# Altium PCB Motherboard.PcbDoc (part 3 of 3) (continued)
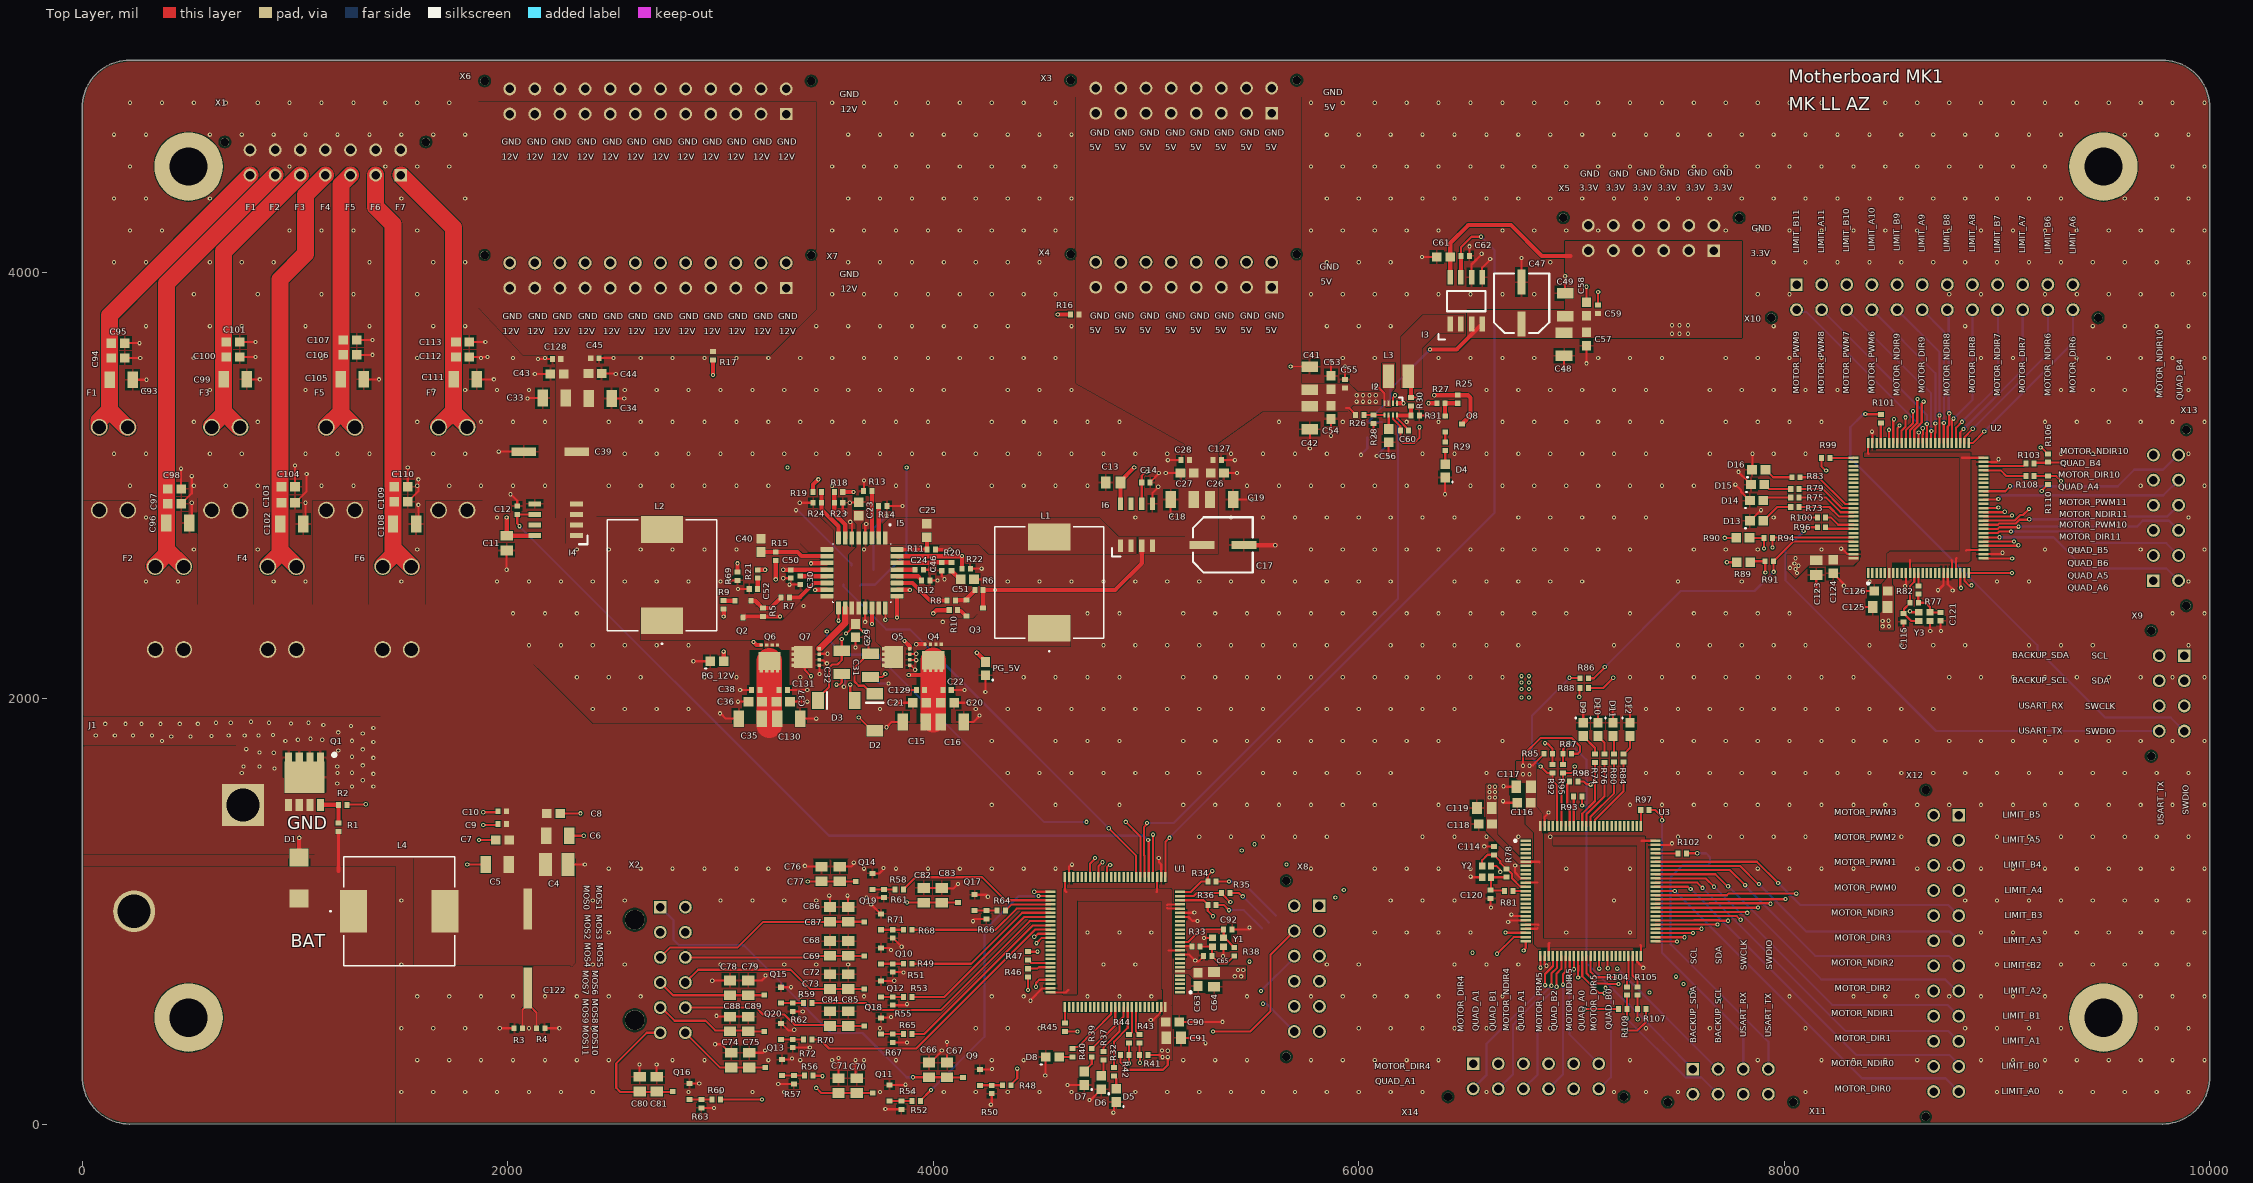
[diagram p0: Top Layer view]
## Nets (pads, with @x,y where several pads share a name; then routed paths per layer and width w, separated by ;. In a path a pad name is that pad's centre, name@x,y a point inside that pad or via, vN(x,y) a via of type N, cw(c..) or ccw(c..) an arc to the next point about the centre after c; other vN are vias at no path point) (continued)
  other v1: 7611.02,917.5
NetU3_55: U3.55 X12.P$20 | length 1441.2
  Top Layer w10: U3.55@7395.12,937.52 7682.51,937.51 v1@7685,940
  Mid Layer 1 w10: v1@7690,935 7685,935 7995,625 X12.P$20@8701.89,625
  other v1: 7686.02,937.5
NetU3_56: U3.56 X12.P$19 | length 1395.7
  Top Layer w10: U3.56@7395.12,957.2 7576.03,957.2 7576.32,957.5 7694.31,957.5 7696.81,955 v1(7735,955)
  Mid Layer 1 w10: v1(7735,955) 7946.89,743.11 X12.P$19@8701.89,743.11
NetU3_57: U3.57 X12.P$18 | length 1354.7
  Top Layer w10: U3.57@7395.12,976.89 7776.53,976.89 7793.42,960 v1(7795,960)
  Mid Layer 1 w10: v1(7795,960) 7893.77,861.23 X12.P$18@8701.89,861.23
NetU3_58: U3.58 X12.P$17 | length 1312.3
  Top Layer w10: U3.58@7395.12,996.57 7819.24,996.57 7821.4,994.41 7824.41,994.41 v1@7825,995
  Mid Layer 1 w10: v1@7825,990 7835.66,979.34 X12.P$17@8701.89,979.34
  other v1: 7826.02,992.5
NetU3_59: U3.59 X12.P$16 | length 1349.6
  Top Layer w10: U3.59@7395.12,1016.26 7871.4,1016.26 7875,1019.86 v1@7875,1020
  Mid Layer 1 w10: v1@7880,1020 7875,1015 8619.44,1015 X12.P$16@8701.89,1097.45
  other v1: 7876.02,1017.5
NetU3_60: U3.60 X12.P$15 | length 1383.2
  Top Layer w10: U3.60@7395.12,1035.94 7648.25,1035.94 7649.8,1037.5 7929.8,1037.5 7932.29,1035 v1(7935,1035)
  Mid Layer 1 w10: v1(7935,1035) 8521.33,1035 X12.P$15@8701.89,1215.56
NetU3_61: U3.61 X12.P$14 | length 1430.3
  Top Layer w10: U3.61@7395.12,1055.63 7396.02,1056.54 8003.46,1056.54 v1@8005,1055
  Mid Layer 1 w10: v1@8010,1060 8005,1055 8423.22,1055 X12.P$14@8701.89,1333.67
  other v1: 8006.02,1057.5
NetU3_62: U3.62 X12.P$13 | length 1464.8
  Top Layer w10: U3.62@7395.12,1075.32 7729.94,1075.32 7737.12,1082.5 8052.5,1082.5 v1@8055,1080
  Mid Layer 1 w10: v1@8055,1080 8330.11,1080 X12.P$13@8701.89,1451.78
  other v1: 8056.02,1082.5
NetU3_63: U3.63 X12.P$12 | length 1820.6
  Top Layer w10: U3.63@7390,1095 7390.16,1095.16 7484.84,1095.16 v1(7485,1095.32)
  Bottom Layer w10: v1(7485,1095.32) 8365.32,215 8757.56,215 X12.P$12@8820,152.56
NetU3_64: U3.64 X12.P$11 | length 1787.4
  Top Layer w10: U3.64@7390,1115 7390.31,1115.32 7546.98,1115.32 7557.29,1105 v1(7560,1105)
  Mid Layer 2 w10: X12.P$11@8820,270.67 X12.P$11@8820,280
  Bottom Layer w10: v1(7560,1105) 7644.31,1020.69 7644.31,1017.4 8336.72,325 8775,325 X12.P$11@8820,280
NetU3_65: U3.65 X12.P$10 | length 1733.7
  Top Layer w10: U3.65@7395.12,1134.37 7590.63,1134.37 v1(7615,1110)
  Bottom Layer w10: v1(7615,1110) 8288.33,436.67 8772.11,436.67 X12.P$10@8820,388.78
NetU3_66: U3.66 X12.P$9 | length 1701.3
  Top Layer w10: U3.66@7395.54,1153.64 7631.36,1153.64 v1(7670,1115)
  Mid Layer 2 w10: X12.P$9@8820,506.89 8825,501.89 X12.P$9@8825,500
  Bottom Layer w10: v1(7670,1115) 8225,560 8766.89,560 X12.P$9@8820,506.89
NetU3_67: U3.67 X12.P$8 | length 1647.2
  Top Layer w10: U3.67@7395.12,1173.74 7676.26,1173.74 v1@7735,1115
  Mid Layer 2 w10: X12.P$8@8810,625 X12.P$8@8815,625
  Bottom Layer w10: v1(7736.02,1117.5) 8173.52,680 8755,680 X12.P$8@8810,625
NetU3_68: U3.68 X12.P$7 | length 1611.4
  Top Layer w10: U3.68@7395.12,1193.43 7745.1,1193.43 v1(7816.02,1122.5)
  Bottom Layer w10: v1@7815,1120 8145,790 8773.11,790 X12.P$7@8820,743.11
NetU3_69: U3.69 X12.P$6 | length 1571.9
  Top Layer w10: U3.69@7395.12,1213.11 7791.89,1213.11 v1@7880,1125
  Mid Layer 2 w10: X12.P$6@8820,860 X12.P$6@8820,861.23
  Bottom Layer w10: v1(7881.02,1127.5) 8103.52,905 8776.23,905 X12.P$6@8820,861.23
NetU3_70: U3.70 X12.P$5 | length 1529.9
  Top Layer w10: U3.70@7395.12,1232.8 7870.73,1232.8 v1(7971.02,1132.5)
  Bottom Layer w10: v1(7971.02,1132.5) 8073.52,1030 8078.52,1030 8079.07,1029.45 8769.89,1029.45 X12.P$5@8820,979.34
OSC_IN: R33.1 U1.12 | length 54.7
  Top Layer w10: U1.12@5160.43,835.32 5160.59,835.16 5214.84,835.16 R33.1@5215,835
OSC_IN_0: C114.2 R78.2 U3.12 Y2.1 | length 326
  Top Layer w10: Y2.1@6580,1210 6580,1240 6605.31,1265.32 C114.2@6635,1265.32 6636.97,1265.32 6643.78,1258.5 6643.78,1256.54 6665,1235.32 6665,1227.4 6692.4,1200 6696.34,1200 6720,1176.34 6720,1155 6759.41,1115.59 6783.98,1115.59 U3.12@6784.88,1114.68
OSC_IN_1: C115.2 R77.2 U2.12 Y3.1 | length 298.1
  Top Layer w10: U2.12@8610.63,2590 8610.63,2547.93 8590.32,2527.61 8590.32,2450.32 8590,2450 8590,2447.72 8562.92,2420.64 8562.92,2402.61 C115.2@8560,2399.68 8561.97,2399.68 8597.99,2363.66 Y3.1@8631.85,2363.66
OSC_OUT: C92.2 R38.1 U1.13 Y1.3 | length 339.6
  Top Layer w10: U1.13@5160.43,855 5197.7,855 5257.7,915 5365,915 5365.31,914.68 5365.31,875.32 Y1.3@5365,875 5374.76,865.24 5379.45,865.24 5406.22,838.46 5406.22,836.5 5413.03,829.68 R38.1@5415,829.68
OSC_OUT_0: R81.1 U3.13 | length 59.9
  Top Layer w10: R81.1@6725,1095 U3.13@6784.88,1095
OSC_OUT_1: R82.1 U2.13 | length 60.1
  Top Layer w10: R82.1@8630,2530 8630.16,2530.16 8630.16,2589.84 U2.13@8630.32,2590
OUT_3.3V: C60.1 I2.7 I3.1 I3.2 L3.2 R30.2 | length 572
  Top Layer w10: I2.7@6160.31,3332.44 6160.39,3332.36 6160.39,3314.61 6195,3280 C60.1@6195,3260 ; C60.1@6195.31,3260 6195.31,3214.68 6210,3200 6260,3200 6285,3225 v1(6285,3275) ; R30.2@6245,3414.68 6245.16,3414.84 6284.84,3414.84 v1(6285,3415)
  Top Layer w20: L3.2@6232.52,3515 6245,3502.52 R30.2@6245,3416.5
  Mid Layer 4 w10: v1(6285,3275) v1(6285,3415)
PG_3.3V: I2.1 R27.1 | length 185.9
  Top Layer w20: I2.1@6182.44,3387.56 v1(6210,3387.56) ; v1(6327.78,3387.81) 6362.19,3387.81 R27.1@6365,3385
  Mid Layer 1 w20: v1(6210,3387.56) 6212.56,3385 6324.97,3385 v1(6327.78,3387.81)
PGOOD1: I5.27 R8.1 | length 269.7
  Top Layer w20: I5.27@3829.57,2542.76 3902.24,2542.76 3985,2460 R8.1@4065,2460
PGOOD2: I5.14 R7.1 | length 209.5
  Top Layer w10: I5.14@3500.43,2542.76 3502.24,2542.76 I5.14@3505,2540
  Top Layer w20: R7.1@3324.68,2475 3372.15,2475 3439.9,2542.76 I5.14@3500.43,2542.76
SCL0: R88.1 R95.1 U3.95 | length 705.2
  Top Layer w10: U3.95@6952.2,1400.12 6952.2,1592.2 6960,1600 R95.1@6960,1650 ; R95.1@6960,1650.32 7000.31,1650.32 7013.09,1663.09 7013.09,1678.09 v1(7015,1680) ; v1@7035,2010 7035.82,2010 7037.94,2012.12 7037.94,2047.62 R88.1@7040.31,2050
  Mid Layer 3 w10: v1@7035,2003.77 v1@7035,2005
  Mid Layer 4 w10: v1(7015,1680) 7015,1983.77 v1@7035,2003.77
  other v1: 7036.02,2007.5
SCL1: R88.2 R94.1 U2.95 | length 1559.3
  Top Layer w10: R88.2@7079.69,2050 7150,2050 v1@7195,2095 ; R94.1@7944.09,2754.09 7947.32,2757.32 U2.95@8325.2,2757.32 ; v1(7945,2710) 7944.84,2710.16 7944.84,2749.74 R94.1@7945.1,2750
  Mid Layer 4 w10: v1(7196.02,2097.5) 7673.53,2575 7810,2575 v1(7945,2710)
SDA0: R86.1 R92.1 U3.96 | length 882.9
  Top Layer w10: v1(6855,1680) 6884.69,1650.32 R92.1@6910,1650.32 ; R92.1@6910,1650 6910,1615 6932.52,1592.48 U3.96@6932.52,1400.12 ; v1@6990,2100 6993.75,2096.25 7039.07,2096.25 R86.1@7040.31,2095
  Bottom Layer w10: v1(6855,1680) 6815,1720 6815,1920 v1@6990,2095
  other v1: 6991.02,2097.5
SDA1: R86.2 R91.1 U2.96 | length 1535.4
  Top Layer w10: R86.2@7079.69,2095 7105,2095 v1@7155,2145 ; v1(7950,2595) 7949.84,2595.16 7949.84,2639.84 R91.1@7950,2640 ; R91.1@7950,2645 7950,2647.28 7956.5,2653.78 7958.78,2653.78 8042.64,2737.64 U2.96@8325.2,2737.64
  Bottom Layer w10: v1(7156.02,2147.5) 7513.53,2505 7860,2505 v1(7950,2595)
SS1: C24.2 I5.29 | length 85.6
  Top Layer w10: I5.29@3830,2605 I5.29@3830.37,2605.37 ; C24.2@3914.94,2605.37 C24.2@3915.32,2605
  Top Layer w20: I5.29@3830.37,2605.37 C24.2@3914.94,2605.37
SS2: C30.2 I5.13 | length 125.3
  Top Layer w10: C30.2@3375,2574.68 C30.2@3375.22,2574.47 ; I5.13@3499.47,2574.47 I5.13@3500,2575
  Top Layer w20: C30.2@3375.22,2574.47 I5.13@3499.47,2574.47
SS_3.3V: C56.1 I2.6 | length 67.7
  Top Layer w10: C56.1@6140,3265 6140.63,3265.63 C56.1@6140.63,3266.5 I2.6@6140.63,3332.44
SW_3.3V: I2.3 L3.1
Therm0: R36.1 U1.23 X8.P$10 | length 707.1
  Top Layer w10: U1.23@5160.43,1051.85 5270.43,1051.85 5290,1032.28 5290,1001.65 v1(5315.46,976.19)
  Mid Layer 1 w10: v1@5320,975 5392.83,975 X8.P$10@5696.89,670.94
Therm1: R35.1 U1.24 X8.P$4 | length 865.1
  Top Layer w10: U1.24@5160.43,1071.54 5224.09,1071.54 5237.56,1085 R35.1@5350,1085 ; R35.1@5355.31,1085 5355.31,1083.03 5398.35,1040 v1@5400,1040
  Mid Layer 4 w10: v1(5396.53,1043.24) 5497.16,1043.24 5815,725.4 X8.P$4@5815,670.94 X8.P$4@5815,670
Therm2: R34.1 U1.25 X8.P$7 | length 657.1
  Top Layer w10: U1.25@5160.43,1091.22 5211.22,1091.22 5260,1140 5290,1140 5290,1166.71 v1(5311.53,1188.24)
  Mid Layer 1 w10: v1@5315,1190 5450,1190 5614.72,1025.28 X8.P$7@5696.89,1025.28
VCCINT: C23.2 C29.1 D2.1 D3.1 I5.5 I5.19 I5.20 | length 972.4
  Top Layer w10: v1(3590,2305) 3590.98,2305 3630,2344.02 C29.1@3630,2350 ; v1(3610,2065) 3610,2011.61 D3.1@3631.61,1990 ; C29.1@3630,2355 3630,2354.02 3667.1,2316.91 3673.09,2316.91 v1(3675,2315) ; v1(3650,1910) 3651.57,1910 3713.19,1848.39 D2.1@3725,1848.39
  Mid Layer 4 w10: v1(3590,2305) 3590,2085 v1(3610,2065) ; v1(3650,1910) 3650,2076.35 3675,2101.35 v1(3675,2315)
pads on no net: I4.7 I6.7 U1.1 U1.2 U1.3 U1.4 U1.5 U1.7 U1.8 U1.9 U1.14 U1.15 U1.16 U1.17 U1.18 U1.34 U1.35 U1.36 U1.37 U1.38 U1.39 U1.41 U1.43 U1.45 U1.46 U1.47 U1.48 U1.63 U1.64 U1.65 U1.66 U1.67 U1.70 U1.71 U1.73 U1.77 U1.78 U1.79 U1.80 U1.81 U1.82 U1.83 U1.84 U1.85 U1.86 U1.89 U1.94 U1.95 U1.96 U1.97 U1.98 U2.1 U2.2 U2.3 U2.4 U2.5 U2.7 U2.8 U2.9 U2.14 U2.15 U2.16 U2.17 U2.18 U2.39 U2.41 U2.43 U2.44 U2.45 U2.46 U2.71 U2.73 U2.77 U2.78 U2.79 U2.80 U2.81 U2.82 U2.83 U2.84 U2.85 U2.86 U2.91 U2.94 U2.97 U2.98 U3.1 U3.2 U3.3 U3.4 U3.5 U3.7 U3.8 U3.9 U3.14 U3.15 U3.16 U3.17 U3.18 U3.39 U3.41 U3.43 U3.44 U3.45 U3.46 U3.71 U3.73 U3.77 U3.78 U3.79 U3.80 U3.81 U3.82 U3.83 U3.84 U3.85 U3.86 U3.91 U3.94 U3.97 U3.98 X1.1 X2.1 X3.1 X4.1 X5.1 X6.1 X7.1 X8.1 X9.1 X10.1 X11.1 X12.1 X13.1 X14.1

## Polygon pours and split planes (outlines as drawn)
BAT_Main on Top Layer "BAT_MAIN_L01_P086" (solid, pour order 86): 1560,1205 1560,1195 1560,745 2295,745 2300,740 2315,755 2315,1250 4230,1250 4230,1515 4230,1880 2400,1880 1840,2440 0,2440 0,1250 1560,1250
NetJ1_1 on Top Layer "NETJ1_1_L01_P062" (solid, pour order 62): 1090,1780 1090,1270 0,1270 0,1780
GND on Top Layer "GND_L01_P109" (solid, pour order 109): 222.5,-0.01 cw(c222.5,222.5) -0.01,222.5 0,222.5 0,4777.5 -0.01,4777.5 cw(c222.5,4777.5) 222.5,5000.01 9777.5,5000.01 cw(c9777.5,4777.5) 10000.01,4777.5 10000.01,222.5 cw(c9777.5,222.5) 9777.5,-0.01 9777.5,0
LX2 on Top Layer "LX2_L01_P009" (solid, pour order 9): 3210,2275 2625,2275 2625,2430 2930,2430 3210,2430
3.3V on Top Layer "3.3V_L01_P100" (solid, pour order 100): 6650,1595 6650,1360 6760,1250 6760,1240 6815,1240 6815,1220 6755,1220 6600,1375 6600,1595
NetI5_23 on Top Layer "NETI5_23_L01_P048" (solid, pour order 48): 3730,2455 3730,2270 3760,2240 3760,2145 3860,2145 3860,2245 3975,2245 4410,2245 4645,2245 4645,2395 4210,2395 4190,2375 3775,2375 3755,2395 3755,2455
3.3V on Top Layer "3.3V_L01_P099" (solid, pour order 99): 5120,555 5120,1100 5115,1105 4610,1105 4610,610 4675,610 4675,1055 4680,1050 5075,1050 5075,635 5080,630 5080,575
3.3V on Top Layer "3.3V_L01_P098" (solid, pour order 98): 5470,740 5470,680 5225,680 5200,705 5135,705 5135,725 5210,725 5225,740 5465,740
3.3V on Top Layer "3.3V_L01_P097" (solid, pour order 97): 5120,300 5120,555 5100,575 5080,575 5080,515 5060,495 5060,300
3.3V on Top Layer "3.3V_L01_P095" (solid, pour order 95): 6825,1370 6825,845 6840,830 7345,830 7345,1335 7345,1350 7340,1350 6915,1350 6915,1310 7310,1310 7310,870 6865,870 6865,1365 6860,1370
3.3V on Top Layer "3.3V_L01_P094" (solid, pour order 94): 6740,1705 6835,1705 6835,1495 6835,1490 6860,1460 6860,1370 6825,1370 6785,1410 6785,1605 6760,1605 6740,1625 6740,1690
3.3V on Top Layer "3.3V_L01_P090" (solid, pour order 90): 8485,2680 8495,2690 8825,2690 8825,3135 8820,3135 8375,3135 8375,3155 8875,3155 8875,2650 8865,2640 8505,2640 8505,2620 8500,2615 8485,2615
3.3V on Top Layer "3.3V_L01_P089" (solid, pour order 89): 8450,2400 8460,2410 8460,2540 8485,2565 8485,2620 8500,2620 8505,2615 8505,2535 8515,2525 8515,2320 8450,2320
3.3V on Top Layer "3.3V_L01_P088" (solid, pour order 88): 8015,2605 8055,2565 8115,2625 8325,2625 8350,2650 8350,2675 8015,2675
CS2- on Top Layer "CS2-_L01_P050" (solid, pour order 50): 2275,2855 2625,2855 3465,2855 3530,2790 3530,2690 3415,2690 3375,2730 2825,2730 2275,2730
BAT_MAIN_U on Top Layer "BAT_MAIN_U_L01_P073" (solid, pour order 73): 0,1210 1470,1210 1470,0 0,0
GND on Top Layer "Reverse_Polarity_Ground" (solid, pour order 7): 945,1630 945,1555 950,1560 1400,1560 1400,1915 10,1915 10,1780 725,1780 725,1630 885,1630
BAT_Main on Top Layer "BAT_MAIN_L01_P010" (solid, pour order 10): 545,2940 545,2415 550,2420 805,2420 805,2940
BAT_Main on Top Layer "BAT_MAIN_L01_P026" (solid, pour order 26): 265,2930 265,2420 260,2415 5,2415 5,2925 0,2930
BAT_Main on Top Layer "BAT_MAIN_L01_P027" (solid, remove dead copper, pour order 27): 1085,2930 1340,2930 1345,2935 1345,2400 1080,2400 1085,2405
BAT_Main on Top Layer "BAT_MAIN_L01_P036" (solid, pour order 36): 1615,2930 1615,2400 1880,2400 1880,2930
VCCINT on Top Layer "VCCINT_L01_P045" (solid, remove dead copper, pour order 45): 3660,2325 3605,2325 3605,2675 3640,2710 3640,2820 3625,2835 3625,2885 3675,2885 3675,2835 3660,2820
12V_MAIN on Top Layer "12V_MAIN_L01_P049" (solid, pour order 49): 1865,4803.37 3448.98,4803.37 3448.98,3831.02 3450,3830 3235,3615 2415,3615 2415,2850 2225,2850 2225,3615 2070,3615 1865,3836.42
CS1- on Top Layer "CS1-_L01_P055" (solid, pour order 55): 4955,2760 4955,2680 4660,2680 4260,2680 4215,2725 3855,2725 3765,2725 3765,2820 3795,2850 4420,2850 4780,2850 4870,2760
5V_Main on Top Layer "5V_MAIN_L01_P056" (solid, pour order 56): 4965,2760 4965,2680 5340,2680 5340,3202.09 5730,3480 5730,4825 4670,4825 4670,3482.02 5185,3194.81 5185,2760
3.3V on Top Layer "3.3V_L01_P057" (solid, pour order 57): 6510,3825 6975,3825 6975,3695 6965,3695 6510,3695
3.3V on Top Layer "tga" (solid, pour order 59): 6970,4150 7800,4150 7800,3695 6970,3695 6970,3820
LX2 on Top Layer "LX2_L01_P061" (solid, remove dead copper, pour order 61): 3530,2490 3415,2490 3290,2365 3205,2365 3205,2240 3275,2240 3325,2190 3325,2140 3435,2140 3435,2320 3530,2415
5V_Main on Top Layer "5V_MAIN_L01_P063" (solid, pour order 63): 5340,3480 5955,3480 5995,3440 6105,3440 6105,3380 5975,3380 5945,3350 5340,3350
SW_3.3V on Top Layer "SW_3.3V_L01_P064" (solid, pour order 64): 6110,3575 6170,3575 6170,3460 6150,3435 6150,3370 6130,3370 6130,3435 6110,3460
OUT_3.3V on Top Layer "OUT_3.3V_L01_P065" (solid, pour order 65): 6495,3800 6495,3720 6370,3720 6295,3645 6295,3460 6200,3460 6200,3700 6300,3800
GND on Mid Layer 1 "GND_L02_P101" (solid, pour order 101): 222.5,-0.01 cw(c222.5,222.5) -0.01,222.5 0,222.5 0,4777.5 -0.01,4777.5 cw(c222.5,4777.5) 222.5,5000.01 9777.5,5000.01 cw(c9777.5,4777.5) 10000.01,4777.5 10000.01,222.5 cw(c9777.5,222.5) 9777.5,-0.01 9777.5,0
3.3V on Mid Layer 1 "3.3V_L02_P093" (solid, pour order 93): 7722.5,2892.5 6880,2050 6880,1625 6792.51,1625 6789.46,1628.05 6786.42,1625 6740,1625 6740,2120 7617.5,2997.5
3.3V on Mid Layer 1 "3.3V_L02_P085" (solid, pour order 85): 7450,3770 7580,3770 7575,3765 7575,3180 8085,2670 8085,2550 8060,2550 7450,3160
5V_Main on Mid Layer 1 "5V_MAIN_L02_P035" (solid, pour order 35): 5975,3440 5975,3410 6375,3410 6375,3440
5V_Main on Mid Layer 1 "5V_MAIN_L02_P053" (solid, pour order 53): 5975,3410 5975,3380 6105,3380 6105,3410
GND on Mid Layer 3 "GND_L04_P108" (solid, pour order 108): 222.5,-0.01 cw(c222.5,222.5) -0.01,222.5 0,222.5 0,4777.5 -0.01,4777.5 cw(c222.5,4777.5) 222.5,5000.01 9777.5,5000.01 cw(c9777.5,4777.5) 10000.01,4777.5 10000.01,222.5 cw(c9777.5,222.5) 9777.5,-0.01 9777.5,0
3.3V on Bottom Layer "3.3V_L06_P105" (solid, pour order 105): 6600,1636 6600,1525 6650,1525 6650,1676
3.3V on Bottom Layer "3.3V_L06_P106" (solid, pour order 106): 6650,1670 6565,1755 6522.5,1712.5 6601.96,1633.04
3.3V on Bottom Layer "3.3V_L06_P103" (solid, pour order 103): 6820,1970 5120,270 5055,270 5055,435 6820,2200
3.3V on Bottom Layer "3.3V_L06_P087" (solid, pour order 87): 8015,2670 8015,2600 8295,2320 8515,2320 8515,2390 8505,2400 8335,2400 8335,2405 8070,2670
GND on Bottom Layer "GND_L06_P107" (solid, pour order 107): 222.5,-0.01 cw(c222.5,222.5) -0.01,222.5 0,222.5 0,4777.5 -0.01,4777.5 cw(c222.5,4777.5) 222.5,5000.01 9777.5,5000.01 cw(c9777.5,4777.5) 10000.01,4777.5 10000.01,222.5 cw(c9777.5,222.5) 9777.5,-0.01 9777.5,0
GND on Mid Layer 4 "GND_L05_P104" (solid, pour order 104): 222.5,-0.01 cw(c222.5,222.5) -0.01,222.5 0,222.5 0,4777.5 -0.01,4777.5 cw(c222.5,4777.5) 222.5,5000.01 9777.5,5000.01 cw(c9777.5,4777.5) 10000.01,4777.5 10000.01,222.5 cw(c9777.5,222.5) 9777.5,-0.01 9777.5,0
GND on Mid Layer 2 "GND_L03_P102" (solid, pour order 102): 222.5,-0.01 cw(c222.5,222.5) -0.01,222.5 0,222.5 0,4777.5 -0.01,4777.5 cw(c222.5,4777.5) 222.5,5000.01 9777.5,5000.01 cw(c9777.5,4777.5) 10000.01,4777.5 10000.01,222.5 cw(c9777.5,222.5) 9777.5,-0.01 9777.5,0

## Other copper
Top Layer:
  pour cut-out: 8710,2420 8710,2345 8605,2345 8605,2420
  pour cut-out: 6550,1240 6650,1240 6650,1130 6550,1130
  pour cut-out: 5285,895 5400,895 5400,815 5285,815
  pour cut-out: 3920,2230 3920,1885 4085,1885 4085,2230
  pour cut-out: 3135,2230 3325,2230 3325,1895 3135,1895
Mid Layer 1:
  pour cut-out: 8710,2420 8710,2345 8605,2345 8605,2420
  pour cut-out: 6550,1240 6650,1240 6650,1130 6550,1130
  pour cut-out: 5285,895 5400,895 5400,815 5285,815
Mid Layer 2:
  pour cut-out: 8710,2420 8710,2345 8605,2345 8605,2420
  pour cut-out: 6550,1240 6650,1240 6650,1130 6550,1130
  pour cut-out: 5285,895 5400,895 5400,815 5285,815
Mid Layer 3:
  pour cut-out: 8710,2420 8710,2345 8605,2345 8605,2420
  pour cut-out: 6650,1240 6650,1130 6550,1130 6550,1240
  pour cut-out: 5285,895 5400,895 5400,815 5285,815 5285,890
Mid Layer 4:
  pour cut-out: 8710,2420 8710,2345 8605,2345 8605,2420
  pour cut-out: 6650,1240 6650,1130 6550,1130 6550,1240
  pour cut-out: 5400,895 5400,815 5285,815 5285,895
Bottom Layer:
  pour cut-out: 8710,2420 8605,2420 8605,2345 8710,2345
  pour cut-out: 6650,1240 6650,1130 6550,1130 6550,1240
  pour cut-out: 5285,895 5400,895 5400,815 5285,815

## Silkscreen, mask and mechanical layers (free items; w line width, h text height)
Top Overlay:
  text "Motherboard MK1" at 8020,4895 h60
  text "GND" at 5832.27,4835.59 h30
  text "GND" at 3559.86,4825.43 h30
  text "5V" at 5837.27,4765.59 h30
  text "MK LL AZ" at 8020,4765 h60
  text "12V" at 3564.86,4755.43 h30
  text "GND" at 4737.27,4645.59 h30
  text "GND" at 4852.27,4645.59 h30
  text "GND" at 4972.27,4645.59 h30
  text "GND" at 5092.27,4645.59 h30
  text "GND" at 5207.27,4645.59 h30
  text "GND" at 5322.27,4645.59 h30
  text "GND" at 5442.27,4645.59 h30
  text "GND" at 5557.27,4645.59 h30
  text "GND" at 1971.18,4602 h30
  text "GND" at 2091.18,4602 h30
  text "GND" at 2206.18,4602 h30
  text "GND" at 2326.18,4602 h30
  text "GND" at 2446.18,4602 h30
  text "GND" at 2561.18,4602 h30
  text "GND" at 2681.18,4602 h30
  text "GND" at 2801.18,4602 h30
  text "GND" at 2916.18,4602 h30
  text "GND" at 3031.18,4602 h30
  text "GND" at 3151.18,4602 h30
  text "GND" at 3266.18,4602 h30
  text "5V" at 4735.49,4575.59 h30
  text "5V" at 4853.6,4575.59 h30
  text "5V" at 4971.72,4575.59 h30
  text "5V" at 5089.83,4575.59 h30
  text "5V" at 5207.94,4575.59 h30
  text "5V" at 5326.05,4575.59 h30
  text "5V" at 5444.16,4575.59 h30
  text "5V" at 5562.27,4575.59 h30
  text "12V" at 1971.96,4532 h30
  text "12V" at 2090.07,4532 h30
  text "12V" at 2208.18,4532 h30
  text "12V" at 2326.29,4532 h30
  text "12V" at 2444.4,4532 h30
  text "12V" at 2562.51,4532 h30
  text "12V" at 2680.63,4532 h30
  text "12V" at 2798.74,4532 h30
  text "12V" at 2916.85,4532 h30
  text "12V" at 3034.96,4532 h30
  text "12V" at 3153.07,4532 h30
  text "12V" at 3271.18,4532 h30
  text "GND" at 7307,4457 h30
  text "GND" at 7417,4457 h30
  text "GND" at 7547,4457 h30
  text "GND" at 7667,4457 h30
  text "GND" at 7042,4452 h30
  text "GND" at 7177,4452 h30
  text "3.3V" at 7037,4387 h30
  text "3.3V" at 7162,4387 h30
  text "3.3V" at 7537,4387 h30
  text "3.3V" at 7667,4387 h30
  text "3.3V" at 7287.94,4385.59 h30
  text "3.3V" at 7406.05,4385.59 h30
  text "F1" at 768.79,4295.48 h30
  text "F2" at 881.9,4295.48 h30
  text "F3" at 1000.01,4295.48 h30
  text "F4" at 1118.12,4295.48 h30
  text "F5" at 1236.23,4295.48 h30
  text "F6" at 1354.34,4295.48 h30
  text "F7" at 1472.45,4295.48 h30
  text "GND" at 7847,4197 h30
  text "LIMIT_A10" at 8424.39,4102 h30 r90
  text "LIMIT_B9" at 8542.5,4102 h30 r90
  text "LIMIT_B10" at 8306.28,4097 h30 r90
  text "LIMIT_A9" at 8660.61,4097 h30 r90
  text "LIMIT_B8" at 8778.73,4097 h30 r90
  text "LIMIT_A8" at 8896.84,4097 h30 r90
  text "LIMIT_B11" at 8070.06,4092 h30 r90
  text "LIMIT_A11" at 8188.17,4092 h30 r90
  text "LIMIT_B7" at 9014.95,4092 h30 r90
  text "LIMIT_A7" at 9133.06,4092 h30 r90
  text "LIMIT_B6" at 9251.17,4087 h30 r90
  text "LIMIT_A6" at 9369.28,4087 h30 r90
  text "3.3V" at 7842.69,4078.32 h30
  text "GND" at 5817.27,4015.59 h30
  text "GND" at 3559.86,3980.43 h30
  text "5V" at 5822.27,3945.59 h30
  text "12V" at 3564.86,3910.43 h30
  text "GND" at 4737.27,3785.59 h30
  text "GND" at 4852.27,3785.59 h30
  text "GND" at 4972.27,3785.59 h30
  text "GND" at 5092.27,3785.59 h30
  text "GND" at 5207.27,3785.59 h30
  text "GND" at 5322.27,3785.59 h30
  text "GND" at 5442.27,3785.59 h30
  text "GND" at 5557.27,3785.59 h30
  text "GND" at 1976.18,3782 h30
  text "GND" at 2096.18,3782 h30
  text "GND" at 2211.18,3782 h30
  text "GND" at 2331.18,3782 h30
  text "GND" at 2451.18,3782 h30
  text "GND" at 2566.18,3782 h30
  text "GND" at 2686.18,3782 h30
  text "GND" at 2806.18,3782 h30
  text "GND" at 2921.18,3782 h30
  text "GND" at 3036.18,3782 h30
  text "GND" at 3156.18,3782 h30
  text "GND" at 3271.18,3782 h30
  text "5V" at 4735.49,3715.59 h30
  text "5V" at 4853.6,3715.59 h30
  text "5V" at 4971.72,3715.59 h30
  text "5V" at 5089.83,3715.59 h30
  text "5V" at 5207.94,3715.59 h30
  text "5V" at 5326.05,3715.59 h30
  text "5V" at 5444.16,3715.59 h30
  text "5V" at 5562.27,3715.59 h30
  text "12V" at 1976.96,3712 h30
  text "12V" at 2095.07,3712 h30
  text "12V" at 2213.18,3712 h30
  text "12V" at 2331.29,3712 h30
  text "12V" at 2449.4,3712 h30
  text "12V" at 2567.51,3712 h30
  text "12V" at 2685.63,3712 h30
  text "12V" at 2803.74,3712 h30
  text "12V" at 2921.85,3712 h30
  text "12V" at 3039.96,3712 h30
  text "12V" at 3158.07,3712 h30
  text "12V" at 3276.18,3712 h30
  text "MOTOR_DIR9" at 8660.61,3434.5 h30 r90
  text "MOTOR_DIR8" at 8896.84,3434.5 h30 r90
  text "MOTOR_DIR7" at 9133.06,3434.5 h30 r90
  text "MOTOR_DIR6" at 9369.28,3434.5 h30 r90
  text "MOTOR_PWM9" at 8070.06,3432 h30 r90
  text "MOTOR_PWM8" at 8188.17,3432 h30 r90
  text "MOTOR_PWM7" at 8306.28,3432 h30 r90
  text "MOTOR_PWM6" at 8424.39,3432 h30 r90
  text "MOTOR_NDIR9" at 8542.5,3419.5 h30 r90
  text "MOTOR_NDIR8" at 8778.73,3419.5 h30 r90
  text "MOTOR_NDIR7" at 9014.95,3419.5 h30 r90
  text "MOTOR_NDIR6" at 9251.17,3419.5 h30 r90
  text "MOTOR_NDIR10" at 9778,3412 h30 r90
  text "QUAD_B4" at 9873,3402 h30 r90
  text "MOTOR_NDIR10" at 9297,3147 h30
  text "QUAD_B4" at 9297,3092 h30
  text "MOTOR_DIR10" at 9287,3037 h30
  text "QUAD_A4" at 9287,2982 h30
  text "MOTOR_PWM11" at 9292,2907 h30
  text "MOTOR_NDIR11" at 9292,2852 h30
  text "MOTOR_PWM10" at 9292,2802 h30
  text "MOTOR_DIR11" at 9292,2747 h30
  text "QUAD_B5" at 9332,2682 h30
  text "QUAD_B6" at 9332,2622 h30
  text "QUAD_A5" at 9332,2562 h30
  text "QUAD_A6" at 9332,2507 h30
  text "BACKUP_SDA" at 9072.35,2188.73 h30
  text "SCL" at 9445.49,2186.23 h30
  text "BACKUP_SCL" at 9072.35,2070.62 h30
  text "SDA" at 9445.49,2068.12 h30
  text "USART_RX" at 9102.34,1952.5 h30
  text "SWCLK" at 9415.5,1950 h30
  text "USART_TX" at 9102.34,1834.39 h30
  text "SWDIO" at 9418,1831.89 h30
  text "SWDIO" at 9901.56,1453.63 h30 r90
  text "MOTOR_PWM3" at 8234.22,1451.58 h30
  text "LIMIT_B5" at 9027,1439.94 h30
  text "USART_TX" at 9783.86,1405.15 h30 r90
  text "GND" at 965,1385 h60
  text "MOTOR_PWM2" at 8234.22,1333.47 h30
  text "LIMIT_A5" at 9027,1321.83 h30
  text "MOTOR_PWM1" at 8234.22,1215.36 h30
  text "LIMIT_B4" at 9032,1203.72 h30
  text "MOS0" at 2357,1123 h30 r270
  text "MOS1" at 2417,1123 h30 r270
  text "MOTOR_PWM0" at 8234.22,1097.25 h30
  text "LIMIT_A4" at 9037,1085.61 h30
  text "MOS2" at 2362,983 h30 r270
  text "MOS3" at 2417,983 h30 r270
  text "MOTOR_NDIR3" at 8221.72,979.14 h30
  text "LIMIT_B3" at 9037,967.5 h30
  text "MOTOR_DIR3" at 8236.72,861.03 h30
  text "MOS4" at 2362,853 h30 r270
  text "MOS5" at 2422,853 h30 r270
  text "LIMIT_A3" at 9032,849.39 h30
  text "BAT" at 980,830 h60
  text "SCL" at 7587.88,751.77 h30 r90
  text "SDA" at 7705.99,751.77 h30 r90
  text "MOTOR_NDIR2" at 8221.72,742.91 h30
  text "LIMIT_B2" at 9032,731.27 h30
  text "SWDIO" at 7942.22,724.28 h30 r90
  text "MOS7" at 2352,723 h30 r270
  text "MOS6" at 2397,723 h30 r270
  text "SWCLK" at 7824.11,721.78 h30 r90
  text "MOTOR_DIR2" at 8236.72,624.8 h30
  text "LIMIT_A2" at 9032,613.16 h30
  text "MOS9" at 2352,588 h30 r270
  text "MOS8" at 2397,588 h30 r270
  text "MOTOR_NDIR1" at 8221.72,506.69 h30
  text "LIMIT_B1" at 9027,495.05 h30
  text "MOS11" at 2352,463 h30 r270
  text "MOS10" at 2397,463 h30 r270
  text "QUAD_B0" at 7188,442 h30 r90
  text "QUAD_A1" at 6563,437 h30 r90
  text "QUAD_B1" at 6643,437 h30 r90
  text "MOTOR_NDIR4" at 6708,437 h30 r90
  text "QUAD_A1" at 6778,437 h30 r90
  text "QUAD_B2" at 6933,437 h30 r90
  text "MOTOR_NDIR5" at 7003,437 h30 r90
  text "QUAD_A0" at 7063,437 h30 r90
  text "MOTOR_DIR5" at 7118,437 h30 r90
  text "MOTOR_DIR4" at 6493,432 h30 r90
  text "MOTOR_PRM5" at 6863,432 h30 r90
  text "USART_RX" at 7821.61,408.62 h30 r90
  text "USART_TX" at 7939.72,408.62 h30 r90
  text "MOTOR_DIR1" at 8236.72,388.58 h30
  text "BACKUP_SDA" at 7585.38,378.63 h30 r90
  text "BACKUP_SCL" at 7703.49,378.63 h30 r90
  text "LIMIT_A1" at 9027,376.94 h30
  text "MOTOR_NDIR0" at 8221.72,270.47 h30
  text "LIMIT_B0" at 9022,258.83 h30
  text "MOTOR_DIR4" at 6072,257 h30
  text "QUAD_A1" at 6077,187 h30
  text "MOTOR_DIR0" at 8236.72,152.36 h30
  text "LIMIT_A0" at 9022,140.72 h30
Bottom Overlay:
  drawing of 65 lines, arcs and shapes, not listed
  text "hi mom" at 725,150 h60
Mechanical 1:
  the board outline again, w10